# Altium PCB Backplane.PcbDoc
Units mil, origin at the board's own origin, x right, y up, seen from the top; angles counter-clockwise.
Board outline 6000 x 4000 mil, 2 copper layers (Top Layer, Bottom Layer); 213 components, 126 nets, 872 pads, 96 vias.
Unrouted connection lines stored in the file: 247.
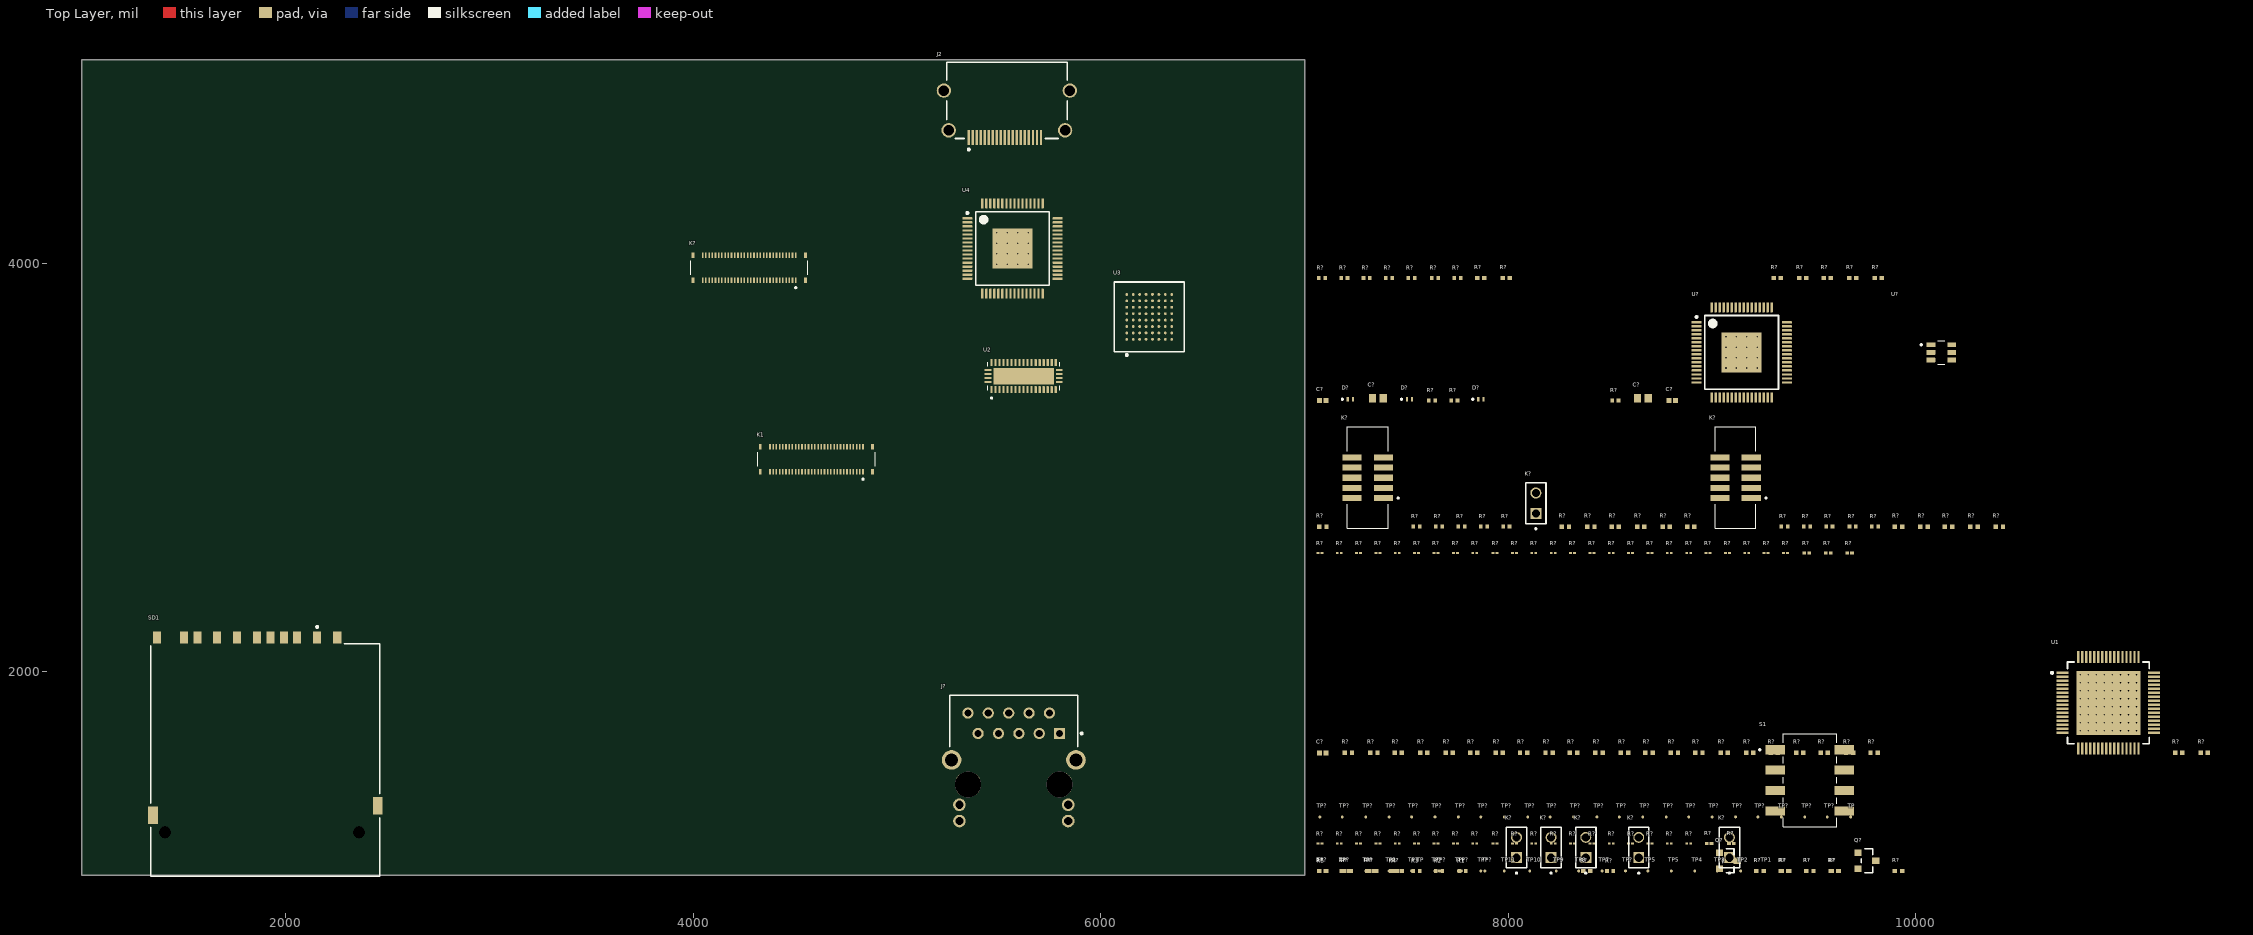
[diagram p0: Top Layer view]
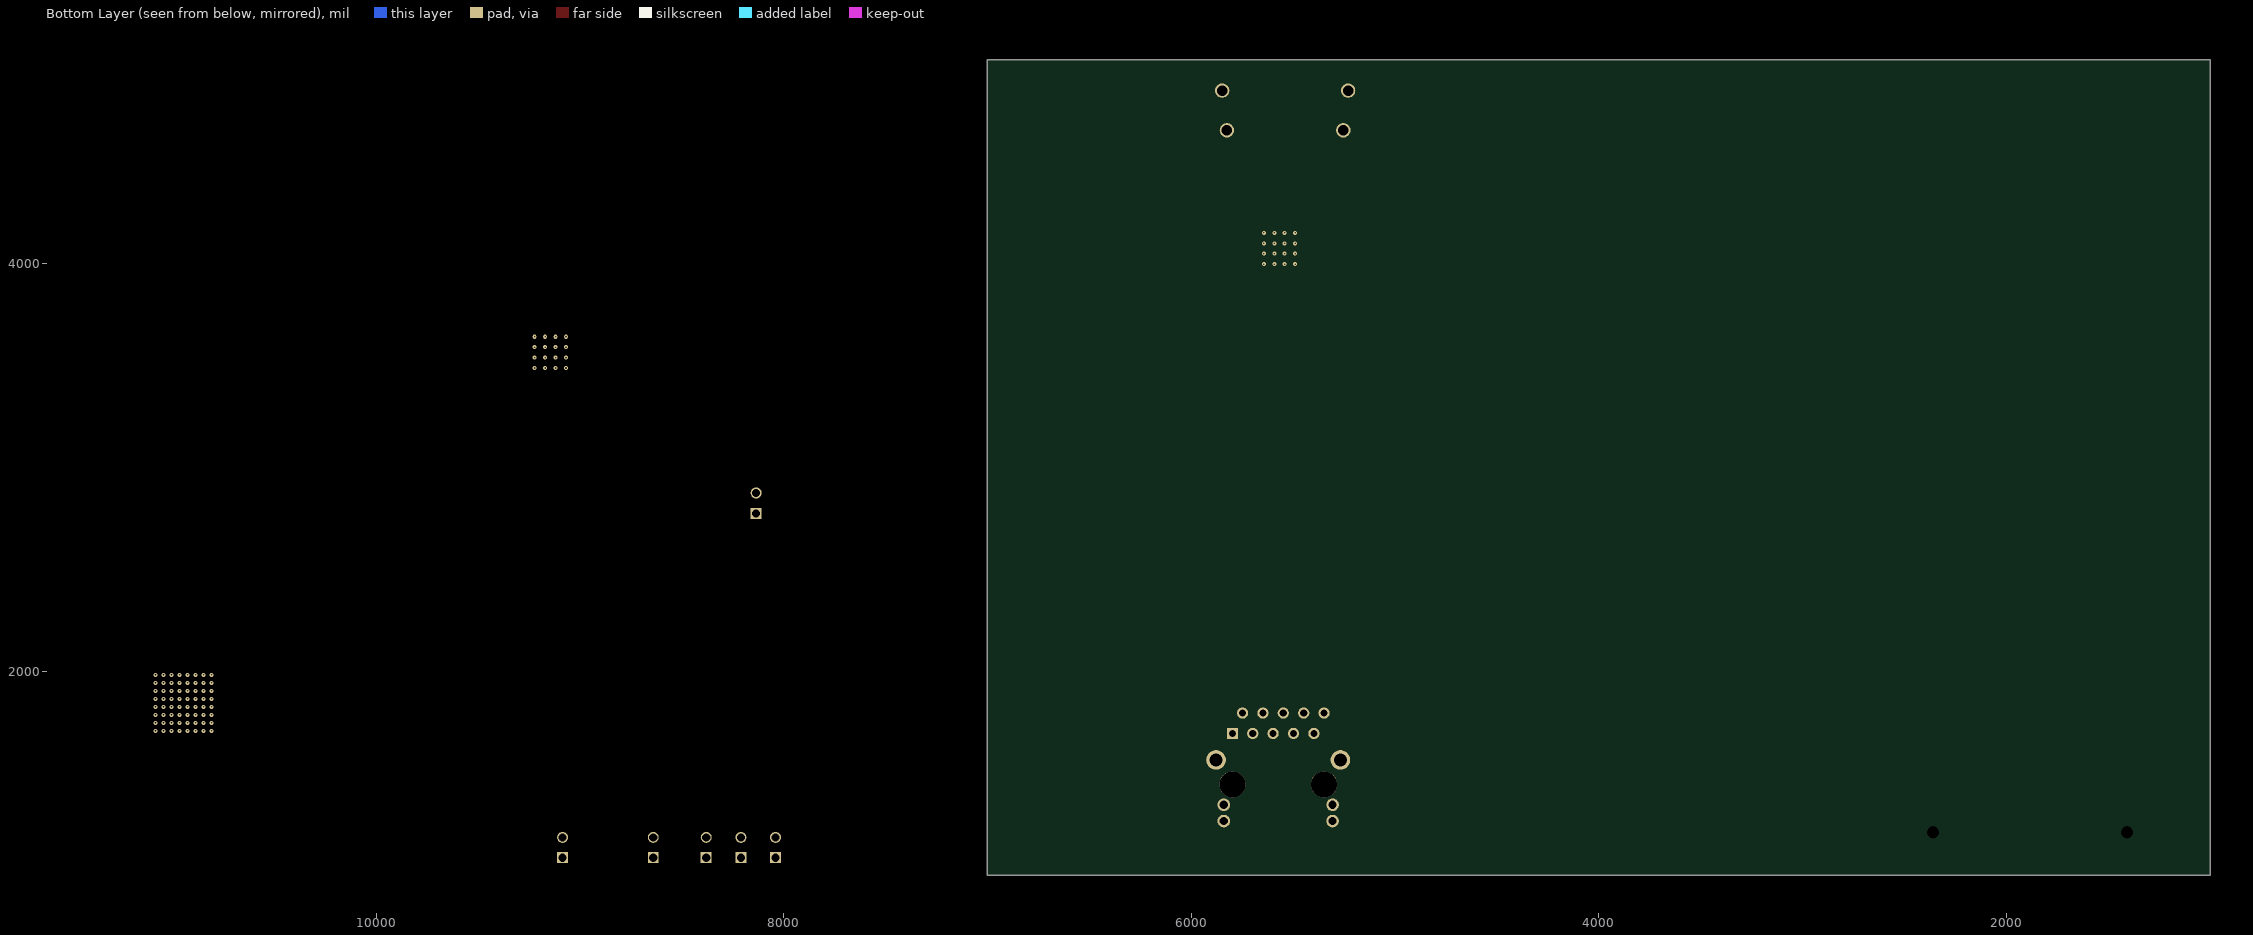
[diagram p1: Bottom Layer view, seen from below]

## Layer stack, top to bottom
Top Solder: solder mask 0.4, Solder Resist, Dk 3.5
Top Layer: signal copper 1.4
Dielectric 1: dielectric 12.6, FR-4, Dk 4.8
Bottom Layer: signal copper 1.4
Bottom Solder: solder mask 0.4, Solder Resist, Dk 3.5

## Board outline
1000,1000 7000,1000 7000,5000 1000,5000

## Design rules (kind name [scope] priority, off if disabled: settings)
Clearance [All] p1: gap=10 ignorepadtopadclearanceinfootprint=FALSE
DiffPairsRouting [All] p1: maxlimit=10 minlimit=10 mostfreqgap=10 toplayer_minwidth=15 toplayer_maxwidth=15 toplayer_prefwidth=15 bottomlayer_minwidth=15 bottomlayer_maxwidth=15 bottomlayer_prefwidth=15 maxuncoupledlength=500
PolygonConnect [All] p1: connectstyle=Relief reliefconductorwidth=10 reliefentries=4 polygonreliefangle="90 Angle" airgapwidth=10
RoutingVias [All] p1: holewidth=28 width=50 viastyle="Through Hole" minholewidth=28 minwidth=50 maxholewidth=28 maxwidth=50
SolderMaskExpansion [All] p1: expansion=4 istentingtop=FALSE
SupplyNets "Schematic Supply Nets_36" [InNet('LVCMOS_B2')] p1: voltage=0.000
SupplyNets "Schematic Supply Nets_35" [InNet('LVCMOS_B7')] p2: voltage=0.000
SupplyNets "Schematic Supply Nets_34" [InNet('LVCMOS_R5')] p3: voltage=0.000
SupplyNets "Schematic Supply Nets_33" [InNet('LVCMOS_G7')] p4: voltage=0.000
SupplyNets "Schematic Supply Nets_32" [InNet('LVCMOS_R0')] p5: voltage=0.000
SupplyNets "Schematic Supply Nets_31" [InNet('LVCMOS_G0')] p6: voltage=0.000
SupplyNets "Schematic Supply Nets_30" [InNet('VSYNC')] p7: voltage=0.000
SupplyNets "Schematic Supply Nets_29" [InNet('LVCMOS_CLKOUT')] p8: voltage=0.000
SupplyNets "Schematic Supply Nets_28" [InNet('SYS_5V')] p9: voltage=0.000
SupplyNets "Schematic Supply Nets_27" [InNet('LVCMOS_G3')] p10: voltage=0.000
SupplyNets "Schematic Supply Nets_26" [InNet('LVCMOS_R4')] p11: voltage=0.000
SupplyNets "Schematic Supply Nets_25" [InNet('HSYNC')] p12: voltage=0.000
SupplyNets "Schematic Supply Nets_24" [InNet('LVCMOS_B1')] p13: voltage=0.000
SupplyNets "Schematic Supply Nets_23" [InNet('LVCMOS_R2')] p14: voltage=0.000
SupplyNets "Schematic Supply Nets_22" [InNet('DISP_SELECT')] p15: voltage=0.000
SupplyNets "Schematic Supply Nets_21" [InNet('LVCMOS_B5')] p16: voltage=0.000
SupplyNets "Schematic Supply Nets_20" [InNet('LVCMOS_B0')] p17: voltage=0.000
SupplyNets "Schematic Supply Nets_19" [InNet('LVCMOS_R7')] p18: voltage=0.000
SupplyNets "Schematic Supply Nets_18" [InNet('DE')] p19: voltage=0.000
SupplyNets "Schematic Supply Nets_17" [InNet('LVCMOS_G5')] p20: voltage=0.000
SupplyNets "Schematic Supply Nets_16" [InNet('LVCMOS_B4')] p21: voltage=0.000
SupplyNets "Schematic Supply Nets_15" [InNet('LVCMOS_R3')] p22: voltage=0.000
SupplyNets "Schematic Supply Nets_14" [InNet('LVCMOS_G1')] p23: voltage=0.000
SupplyNets "Schematic Supply Nets_13" [InNet('LVCMOS_R1')] p24: voltage=0.000
SupplyNets "Schematic Supply Nets_12" [InNet('SEL2')] p25: voltage=0.000
SupplyNets "Schematic Supply Nets_11" [InNet('INPUT SIGNAL')] p26: voltage=0.000
SupplyNets "Schematic Supply Nets_10" [InNet('LVCMOS_B3')] p27: voltage=0.000
SupplyNets "Schematic Supply Nets_9" [InNet('LVCMOS_B6')] p28: voltage=0.000
SupplyNets "Schematic Supply Nets_8" [InNet('LVCMOS_G4')] p29: voltage=0.000
SupplyNets "Schematic Supply Nets_7" [InNet('LVCMOS_G6')] p30: voltage=0.000
SupplyNets "Schematic Supply Nets_6" [InNet('LVCMOS_R6')] p31: voltage=0.000
SupplyNets "Schematic Supply Nets_5" [InNet('LVCMOS_G2')] p32: voltage=0.000
SupplyNets "Schematic Supply Nets_4" [InNet('LED_1')] p33: voltage=0.000
SupplyNets "Schematic Supply Nets_3" [InNet('LED_0')] p34: voltage=0.000
SupplyNets "Schematic Supply Nets_2" [InNet('V_BACKLIGHT')] p35: voltage=0.000
SupplyNets "Schematic Supply Nets_1" [InNet('SYS_3V3')] p36: voltage=0.000
SupplyNets "Schematic Supply Nets" [InNet('GND')] p37: voltage=0.000
Width [All] p1: maxlimit=10 minlimit=10 preferedwidth=10
29 further rules are at their usual default settings.

## Classes and differential pairs
component class "U_JTAG interfaces": K? R?
component class U_SDMMC_SDCARD: R? SD1
component class U_Ethernet: C? J? R? TP1 TP2 TP3 TP4 TP5 TP7 TP8 TP9 TP10 TP11 TP? U1
component class "U_Boot Switches": K? R? S1 TP TP?
component class "U_GPIO Expander": R? U?
component class "U_Connector B": K?
component class "U_Connector A": K1
component class U_LVDS: C? D? J2 K? Q? R1 R2 R3 R4 R5 R? TP TP? U2 U3 U4 U?
differential pair TDMSC: +TDMSC_P -TDMSC_N
differential pair TDMS2: +TDMS2_P -TDMS2_N
differential pair TDMS1: +TDMS1_P -TDMS1_N
differential pair TDMS0: +TDMS0_P -TDMS0_N
differential pair TD_D: +TD_D_P -TD_D_N
differential pair TD_C: +TD_C_P -TD_C_N
differential pair TD_B: +TD_B_P -TD_B_N
differential pair TD_A: +TD_A_P -TD_A_N

## Components (designator, comment, footprint, x,y, rotation, side; value= is the part's Value field where it differs from the comment)
C? "CL05A104KA5NNNC" CAPC1005X06N 7090,3330 r0 top
C? "CL05A104KA5NNNC" CAPC1005X06N 7090,1600 r0 top
C? "CL05A104KA5NNNC" CAPC1005X06N 8805,3330 r0 top
C? "CL10A226MP8NUNE" CAPC1608X09N 7360,3340 r0 top
C? "CL10A226MP8NUNE" CAPC1608X09N 8660,3340 r0 top
D? "ESD5581N2T5G" DIODFN100X60X40-2N 7225,3335 r0 top
D? "ESD5581N2T5G" DIODFN100X60X40-2N 7515,3335 r0 top
D? "ESD5581N2T5G" DIODFN100X60X40-2N 7865,3335 r0 top
J2 "10029449-111RLF" FCI-10029449-111RLF_V 5539.06,4734.84 r180 top
J? "ARJM11D7-502-AB-EW2" FP-ARJM11D7-502-AB-EW2-MFG 5572.87,1447.87 r0 top
K1 "DF40C-60DS-0.4V(51)" DF40C-60DS-0.4V(51) 4597.99,3046.26 r0 top
K? "TSW-102-07-F-S" SAMTEC_TSW-102-07-F-S 8640,1135 r90 top
K? "TSW-102-07-F-S" SAMTEC_TSW-102-07-F-S 8380,1135 r90 top
K? "TSW-102-07-F-S" SAMTEC_TSW-102-07-F-S 9085,1135 r90 top
K? "TSW-102-07-F-S" SAMTEC_TSW-102-07-F-S 8210,1135 r90 top
K? "TSW-102-07-F-S" SAMTEC_TSW-102-07-F-S 8040,1135 r90 top
K? "TSW-102-07-F-S" SAMTEC_TSW-102-07-F-S 8135,2825 r90 top
K? "20021521-00010T1LF" AMPHENOL_20021521-00010T1LF 9115,2950 r90 top
K? "20021521-00010T1LF" AMPHENOL_20021521-00010T1LF 7310,2950 r90 top
K? "DF40C-60DS-0.4V(51)" DF40C-60DS-0.4V(51) 4267.76,3986.26 r0 top
Q? "BSS123NH6327XTSA1" FP-PG-SOT23-3-MFG 9760,1070 r0 top
Q? "BSS123NH6327XTSA1" FP-PG-SOT23-3-MFG 9080,1070 r0 top
R1 "ERA-2AEB95R3X" RESC1005X04L 7775,1020 r0 top
R2 "ERA-2AEB95R3X" RESC1005X04L 7660,1020 r0 top
R3 "ERA-2AEB95R3X" RESC1005X04L 7550,1020 r0 top
R4 "ERA-2AEB95R3X" RESC1005X04L 7440,1020 r0 top
R5 "ERA-2AEB95R3X" RESC1005X04L 7085,1020 r0 top
R? "ERJ-1GNF33R0C" RESC0603X03L 8695,1155 r0 top
R? "TNPW020110K0BEED" RESC0603X03N 9095,1155 r0 top
R? "ERJ-1GNF33R0C" RESC0603X03L 7075,1155 r0 top
R? "ERJ-1GNF33R0C" RESC0603X03L 7935,1155 r0 top
R? "ERJ-1GNF33R0C" RESC0603X03L 7550,1155 r0 top
R? "ERJ-1GNF33R0C" RESC0603X03L 8125,1155 r0 top
R? "ERJ-1GNF33R0C" RESC0603X03L 8505,1155 r0 top
R? "ERJ-1GNF33R0C" RESC0603X03L 7265,1155 r0 top
R? "ERJ-1GNF33R0C" RESC0603X03L 8790,1155 r0 top
R? "ERJ-1GNF33R0C" RESC0603X03L 7360,1155 r0 top
R? "ERJ-1GNF33R0C" RESC0603X03L 8030,1155 r0 top
R? "ERJ-1GNF33R0C" RESC0603X03L 7740,1155 r0 top
R? "ERJ-1GNF33R0C" RESC0603X03L 7835,1155 r0 top
R? "TNPW020110K0BEED" RESC0603X03N 8985,1155 r0 top
R? "ERJ-1GNF33R0C" RESC0603X03L 7455,1155 r0 top
R? "ERJ-1GNF33R0C" RESC0603X03L 8220,1155 r0 top
R? "ERJ-1GNF33R0C" RESC0603X03L 7170,1155 r0 top
R? "ERJ-1GNF33R0C" RESC0603X03L 8315,1155 r0 top
R? "ERJ-1GNF33R0C" RESC0603X03L 8885,1155 r0 top
R? "ERJ-1GNF33R0C" RESC0603X03L 8410,1155 r0 top
R? "ERJ-1GNF33R0C" RESC0603X03L 7645,1155 r0 top
R? "ERJ-1GNF33R0C" RESC0603X03L 8600,1155 r0 top
R? "RK73H1ETTP1002F" RESC1005X04N 9915,1020 r0 top
R? "RK73H1ETTP1003F" RESC1005X04N 9360,1020 r0 top
R? "RK73H1ETTP1002F" RESC1005X04N 8385,1020 r0 top
R? "RK73H1ETTP1002F" RESC1005X04N 9605,1020 r0 top
R? "RK73H1ETTP1002F" RESC1005X04N 7325,1020 r0 top
R? "RK73H1ETTP1002F" RESC1005X04N 7200,1020 r0 top
R? "ERJ-2RKF1000X" RESC1005X04L 8500,1020 r0 top
R? "RK73H1ETTP1002F" RESC1005X04N 9235,1020 r0 top
R? "RK73H1ETTP2051F" RESC1005X04N 9480,1020 r0 top
R? "ERJ-1GNF33R0C" RESC0603X03L 8030,2580 r0 top
R? "ERJ-1GNF33R0C" RESC0603X03L 8505,2580 r0 top
R? "RK73H1ETTP22R0F" RESC1005X04N 8075,1600 r0 top
R? "ERJ-1GNF33R0C" RESC0603X03L 8410,2580 r0 top
R? "ERJ-1GNF33R0C" RESC0603X03L 7170,2580 r0 top
R? "TNPW020110K0BEED" RESC0603X03N 9675,2580 r0 top
R? "RK73H1ETTP1002F" RESC1005X04N 11290,1600 r0 top
R? "RK73H1ETTP22R0F" RESC1005X04N 8570,1600 r0 top
R? "RK73H1ETTP22R0F" RESC1005X04N 8320,1600 r0 top
R? "RK73H1ETTP22R0F" RESC1005X04N 9430,1600 r0 top
R? "RK73H1ETTP22R0F" RESC1005X04N 9185,1600 r0 top
R? "RK73H1ETTP22R0F" RESC1005X04N 7955,1600 r0 top
R? "ERJ-1GNF33R0C" RESC0603X03L 8695,2580 r0 top
R? "ERJ-1GNF33R0C" RESC0603X03L 8980,2580 r0 top
R? "ERJ-1GNF33R0C" RESC0603X03L 9265,2580 r0 top
R? "ERJ-1GNF33R0C" RESC0603X03L 7455,2580 r0 top
R? "ERJ-1GNF33R0C" RESC0603X03L 7265,2580 r0 top
R? "ERJ-1GNF33R0C" RESC0603X03L 7645,2580 r0 top
R? "ERJ-1GNF33R0C" RESC0603X03L 8125,2580 r0 top
R? "ERJ-1GNF33R0C" RESC0603X03L 7935,2580 r0 top
R? "ERJ-1GNF33R0C" RESC0603X03L 8315,2580 r0 top
R? "ERJ-1GNF33R0C" RESC0603X03L 8600,2580 r0 top
R? "ERJ-1GNF33R0C" RESC0603X03L 7835,2580 r0 top
R? "ERJ-1GNF33R0C" RESC0603X03L 8220,2580 r0 top
R? "RK73H1ETTP1002F" RESC1005X04N 11415,1600 r0 top
R? "RK73H1ETTP22R0F" RESC1005X04N 8690,1600 r0 top
R? "ERJ-2RKF2201X" RESC1005X04N 9480,1020 r0 top
R? "RK73H1ETTP1003F" RESC1005X04N 7460,1020 r0 top
R? "RK73H1ETTP22R0F" RESC1005X04N 9305,1600 r0 top
R? "RK73H1ETTP22R0F" RESC1005X04N 9795,1600 r0 top
R? "RK73H1ETTP22R0F" RESC1005X04N 8200,1600 r0 top
R? "RK73H1ETTP1003F" RESC1005X04N 7090,1020 r0 top
R? "ERJ-2RKF2201X" RESC1005X04N 9600,1020 r0 top
R? "RK73H1ETTP1003F" RESC1005X04N 7335,1020 r0 top
R? "ERJ-2RKF2201X" RESC1005X04N 9235,1020 r0 top
R? "RK73H1ETTP1003F" RESC1005X04N 7210,1020 r0 top
R? "ERJ-2RKF2201X" RESC1005X04N 9355,1020 r0 top
R? "RK73H1ETTP22R0F" RESC1005X04N 9060,1600 r0 top
R? "RK73H1ETTP22R0F" RESC1005X04N 8935,1600 r0 top
R? "RK73H1ETTP22R0F" RESC1005X04N 7585,1600 r0 top
R? "RK73H1ETTP22R0F" RESC1005X04N 8445,1600 r0 top
R? "RK73H1ETTP22R0F" RESC1005X04N 7340,1600 r0 top
R? "RK73H1ETTP22R0F" RESC1005X04N 9675,1600 r0 top
R? "RK73H1ETTP22R0F" RESC1005X04N 7830,1600 r0 top
R? "RK73H1ETTP22R0F" RESC1005X04N 9550,1600 r0 top
R? "RK73H1ETTP22R0F" RESC1005X04N 8815,1600 r0 top
R? "RK73H1ETTP22R0F" RESC1005X04N 7215,1600 r0 top
R? "RK73H1ETTP22R0F" RESC1005X04N 7710,1600 r0 top
R? "RK73H1ETTP22R0F" RESC1005X04N 7460,1600 r0 top
R? "ERJ-1GNF33R0C" RESC0603X03L 9360,2580 r0 top
R? "ERJ-2RKF33R0X" RESC1005X04L 7735,3330 r0 top
R? "ERJ-2RKF33R0X" RESC1005X04L 8525,3330 r0 top
R? "ERJ-2RKF33R0X" RESC1005X04L 7770,2710 r0 top
R? "RK73H1ETTP1002F" RESC1005X04N 9320,3930 r0 top
R? "ERJ-2RKF33R0X" RESC1005X04L 7525,3930 r0 top
R? "ERJ-2RKF33R0X" RESC1005X04L 7625,3330 r0 top
R? "RK73H1ETTP1002F" RESC1005X04N 8280,2710 r0 top
R? "RK73H1ETTP1002F" RESC1005X04N 10285,2710 r0 top
R? "ERJ-2RKF33R0X" RESC1005X04L 9690,2710 r0 top
R? "ERJ-2RKF33R0X" RESC1005X04L 9465,2710 r0 top
R? "RK73H1ETTP1002F" RESC1005X04N 10040,2710 r0 top
R? "ERJ-2RKF33R0X" RESC1005X04L 9575,2710 r0 top
R? "ERJ-2RKF33R0X" RESC1005X04L 7750,3930 r0 top
R? "ERJ-2RKF33R0X" RESC1005X04L 7640,3930 r0 top
R? "ERJ-2RKF33R0X" RESC1005X04L 7305,3930 r0 top
R? "ERJ-2RKF33R0X" RESC1005X04L 7415,3930 r0 top
R? "RK73H1ETTP1002F" RESC1005X04N 9565,3930 r0 top
R? "RK73H1ETTP1002F" RESC1005X04N 9445,3930 r0 top
R? "ERJ-2RKF33R0X" RESC1005X04L 7195,3930 r0 top
R? "ERJ-2RKF33R0X" RESC1005X04L 7085,3930 r0 top
R? "RK73H1ETTP1002F" RESC1005X04N 9690,3930 r0 top
R? "RK73H1ETTP1002F" RESC1005X04N 7865,3930 r0 top
R? "RK73H1ETTP1002F" RESC1005X04N 9815,3930 r0 top
R? "RK73H1ETTP1002F" RESC1005X04N 7990,3930 r0 top
R? "ERJ-2RKF33R0X" RESC1005X04L 7660,2710 r0 top
R? "TNPW020110K0BEED" RESC0603X03N 9465,2580 r0 top
R? "ERJ-1GNF33R0C" RESC0603X03L 7075,2580 r0 top
R? "ERJ-1GNF33R0C" RESC0603X03L 8790,2580 r0 top
R? "ERJ-2RKF33R0X" RESC1005X04L 7550,2710 r0 top
R? "RK73H1ETTP1002F" RESC1005X04N 10160,2710 r0 top
R? "ERJ-1GNF33R0C" RESC0603X03L 7550,2580 r0 top
R? "TNPW020110K0BEED" RESC0603X03N 9570,2580 r0 top
R? "ERJ-1GNF33R0C" RESC0603X03L 8885,2580 r0 top
R? "ERJ-1GNF33R0C" RESC0603X03L 9170,2580 r0 top
R? "ERJ-1GNF33R0C" RESC0603X03L 9075,2580 r0 top
R? "ERJ-1GNF33R0C" RESC0603X03L 7740,2580 r0 top
R? "ERJ-1GNF33R0C" RESC0603X03L 7360,2580 r0 top
R? "RK73H1ETTP1002F" RESC1005X04N 8650,2710 r0 top
R? "RK73H1ETTP1002F" RESC1005X04N 8525,2710 r0 top
R? "ERJ-2RKF33R0X" RESC1005X04L 9355,2710 r0 top
R? "ERJ-2RKF33R0X" RESC1005X04L 9800,2710 r0 top
R? "RK73H1ETTP1002F" RESC1005X04N 10410,2710 r0 top
R? "ERJ-2RKF33R0X" RESC1005X04L 7880,2710 r0 top
R? "RK73H1ETTP1002F" RESC1005X04N 8895,2710 r0 top
R? "RK73H1ETTP1002F" RESC1005X04N 8405,2710 r0 top
R? "RK73H1ETTP1002F" RESC1005X04N 8775,2710 r0 top
R? "RK73H1ETTP1003F" RESC1005X04N 7090,2710 r0 top
R? "ERJ-2RKF33R0X" RESC1005X04L 7990,2710 r0 top
R? "RK73H1ETTP1002F" RESC1005X04N 9915,2710 r0 top
S1 "219-4LPST" SW_219-4LPST 9480,1465 r0 top
SD1 "10067847-001RLF" FCI-10067847-001RLF_V 1899.37,1688.35 r0 top
TP "Test Point" "Test Point" 9680,1285 r0 top
TP "Test Point" "Test Point" 7565,1020 r0 top
TP1 "Test Point" "Test Point" 9255,1020 r0 top
TP2 "Test Point" "Test Point" 9140,1020 r0 top
TP3 "Test Point" "Test Point" 9025,1020 r0 top
TP4 "Test Point" "Test Point" 8915,1020 r0 top
TP5 "Test Point" "Test Point" 8800,1020 r0 top
TP5 "Test Point" "Test Point" 8685,1020 r0 top
TP7 "Test Point" "Test Point" 8460,1020 r0 top
TP8 "Test Point" "Test Point" 8345,1020 r0 top
TP9 "Test Point" "Test Point" 8235,1020 r0 top
TP10 "Test Point" "Test Point" 8105,1020 r0 top
TP11 "Test Point" "Test Point" 7980,1020 r0 top
TP? "Test Point" "Test Point" 8660,1285 r0 top
TP? "Test Point" "Test Point" 9225,1285 r0 top
TP? "Test Point" "Test Point" 7415,1020 r0 top
TP? "Test Point" "Test Point" 8205,1285 r0 top
TP? "Test Point" "Test Point" 7640,1285 r0 top
TP? "Test Point" "Test Point" 7185,1285 r0 top
TP? "Test Point" "Test Point" 8095,1285 r0 top
TP? "Test Point" "Test Point" 8320,1285 r0 top
TP? "Test Point" "Test Point" 7300,1020 r0 top
TP? "Test Point" "Test Point" 7865,1020 r0 top
TP? "Test Point" "Test Point" 8575,1020 r0 top
TP? "Test Point" "Test Point" 7755,1020 r0 top
TP? "Test Point" "Test Point" 7185,1020 r0 top
TP? "Test Point" "Test Point" 7525,1020 r0 top
TP? "Test Point" "Test Point" 7640,1020 r0 top
TP? "Test Point" "Test Point" 7075,1020 r0 top
TP? "Test Point" "Test Point" 9565,1285 r0 top
TP? "Test Point" "Test Point" 9340,1285 r0 top
TP? "Test Point" "Test Point" 7300,1285 r0 top
TP? "Test Point" "Test Point" 8435,1285 r0 top
TP? "Test Point" "Test Point" 7525,1285 r0 top
TP? "Test Point" "Test Point" 8775,1285 r0 top
TP? "Test Point" "Test Point" 8545,1285 r0 top
TP? "Test Point" "Test Point" 7415,1285 r0 top
TP? "Test Point" "Test Point" 8885,1285 r0 top
TP? "Test Point" "Test Point" 7075,1285 r0 top
TP? "Test Point" "Test Point" 9115,1285 r0 top
TP? "Test Point" "Test Point" 7865,1285 r0 top
TP? "Test Point" "Test Point" 7980,1285 r0 top
TP? "Test Point" "Test Point" 7755,1285 r0 top
TP? "Test Point" "Test Point" 9000,1285 r0 top
TP? "Test Point" "Test Point" 9455,1285 r0 top
TP? "Test Point" "Test Point" 7885,1020 r0 top
TP? "Test Point" "Test Point" 7660,1020 r0 top
TP? "Test Point" "Test Point" 7770,1020 r0 top
U1 "DP83867IRPAPR" FP-PAP0064M-MFG 10945,1845 r0 top
U2 "TS3DV642A0RUAR" QFN50P900X350X80-43N 5621.26,3448.66 r90 top
U3 "DS90CF386SLC/NOPB" FP-NZC0064A-MFG 6237.76,3739.25 r90 top
U4 "TFP410PAP" PAP0064D_L 5566.46,4074.84 r0 top
U? "TXU0101DBVR" IC_TXU0101DBVR 10125,3565 r0 top
U? "PCAL9722HN/Q900MP" PAP0064D_L 9145,3565 r0 top
